# Altium PCB PMT_simulator.PcbDoc (part 1 of 5) (continued)
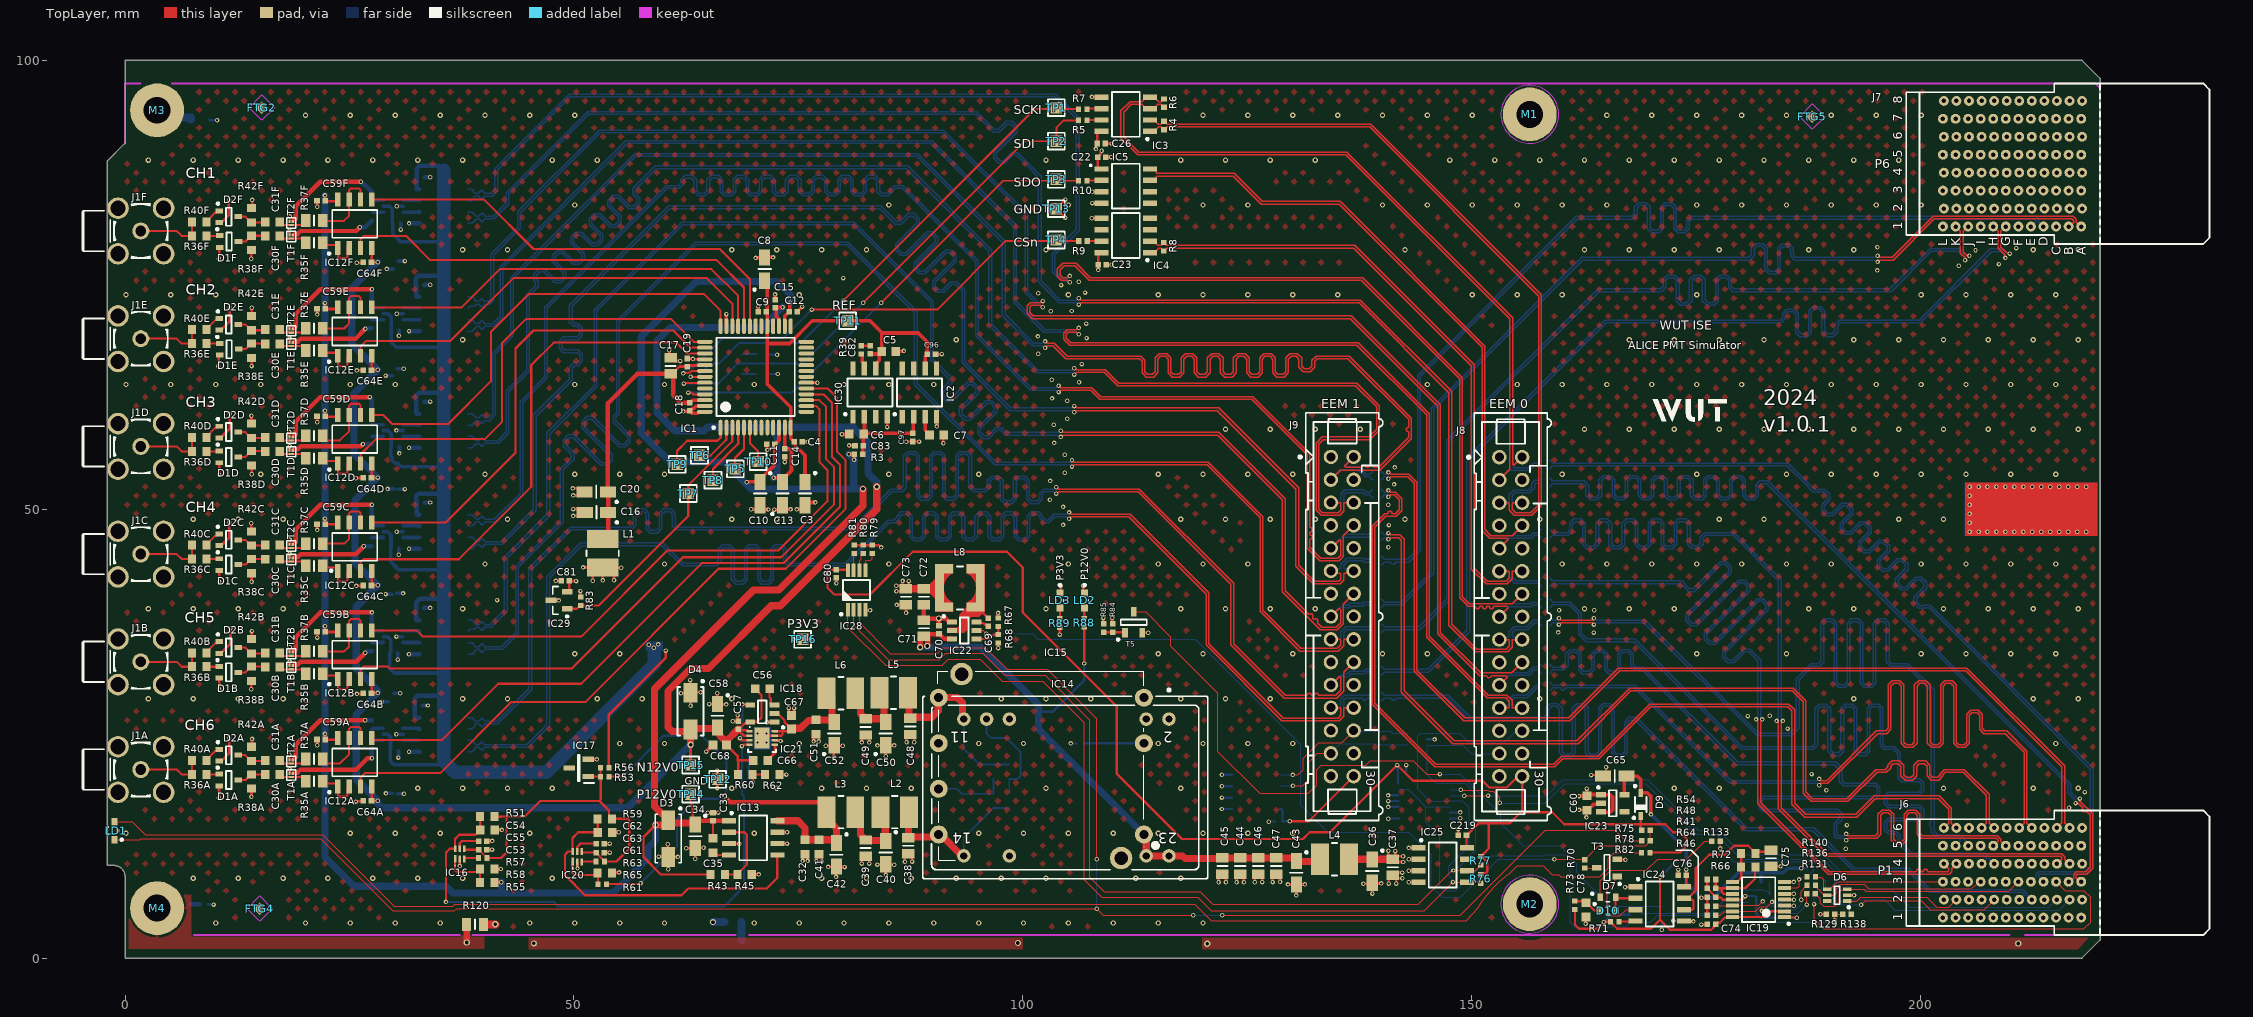
[diagram p0: TopLayer view]
## Classes and differential pairs (continued)
net class BP_IO.LVDS_P[0..15]: BP_IO.LVDS_P0 BP_IO.LVDS_P1 BP_IO.LVDS_P2 BP_IO.LVDS_P3 BP_IO.LVDS_P4 BP_IO.LVDS_P5 BP_IO.LVDS_P6 BP_IO.LVDS_P7 BP_IO.LVDS_P8 BP_IO.LVDS_P9 BP_IO.LVDS_P10 BP_IO.LVDS_P11 BP_IO.LVDS_P12 BP_IO.LVDS_P13 BP_IO.LVDS_P14 BP_IO.LVDS_P15
net class BP_IO.LVDS_N[0..15]: BP_IO.LVDS_N0 BP_IO.LVDS_N1 BP_IO.LVDS_N2 BP_IO.LVDS_N3 BP_IO.LVDS_N4 BP_IO.LVDS_N5 BP_IO.LVDS_N6 BP_IO.LVDS_N7 BP_IO.LVDS_N8 BP_IO.LVDS_N9 BP_IO.LVDS_N10 BP_IO.LVDS_N11 BP_IO.LVDS_N12 BP_IO.LVDS_N13 BP_IO.LVDS_N14 BP_IO.LVDS_N15
component class Overlapping: J6
component class DIOT_Connectors_P1_P6: C60 C65 C74 C75 C76 C77 C78 D5 D6 D7 D9 D10 IC19 IC23 IC24 J6 J7 R41 R46 R48 R54 R64 R66 R69 R70 R71 R72 R73 R86 R87 R129 R130 R131 R133 R136 R138 R140 T3 T6
component class U_Supply_DAC: C32 C33 C34 C35 C36 C37 C38 C39 C40 C41 C42 C43 C44 C45 C46 C47 C48 C49 C50 C51 C52 C53 C54 C55 C56 C57 C58 C61 C62 C63 C66 C67 C68 C69 C70 C71 C72 C73 D3 D4 IC13 IC14 IC15 IC16 IC17 IC18 IC20 IC21 IC22 L2 L3 L4 L5 L6 L8 LD2 LD3 R43 R44 R45 R47 R49 R50 R51 R52 R53 R55 R56 R57 R58 R59 R60 R61 R62 R63 R65 R67 R68 R74 R84 R85 R88 R89 T4 T5 TP12 TP13 TP14 TP15 TP16
component class PMT_simulator: C212 FTG1 FTG2 FTG3 FTG4 FTG5 FTG6 M1 M2 M3 M4 R119 R120 R126
component class U_LVDS_IFC: C21 C22 C23 C24 C25 C26 C27 C28 C29 C84 C85 C86 C87 C88 C89 C90 C91 C92 C93 C94 C95 IC3 IC4 IC5 IC6 IC7 IC8 IC9 IC10 IC11 IC31 IC32 IC33 IC34 IC35 IC36 R4 R5 R6 R7 R8 R9 R10 R11 R12 R13 R14 R15 R16 R17 R18 R19 R20 R21 R22 R23 R24 R25 R26 R27 R28 R29 R30 R31 R32 R33 R34
pad class MH: M1-1 M2-1 M3-1 M4-1
component class EEM_Connectors: C79 C80 C219 C220 D8 IC25 IC26 IC27 IC28 J8 J9 LD1 R75 R76 R77 R78 R79 R80 R81 R82 R145 R146 R147 R148 R149 R150 R151 R152 R153 R154 R155 R156 R157 R158 R159 R160 R161 R162 R163 R164 R167 R168 R169 R170 R171 R172 R173 R174 R175 R176 R177 R178
differential pair LVDS.LVDS15: +LVDS.LVDS_P15 -LVDS.LVDS_N15
differential pair LVDS.LVDS14: +LVDS.LVDS_P14 -LVDS.LVDS_N14
differential pair LVDS.LVDS13: +LVDS.LVDS_P13 -LVDS.LVDS_N13
differential pair LVDS.LVDS12: +LVDS.LVDS_P12 -LVDS.LVDS_N12
differential pair LVDS.LVDS11: +LVDS.LVDS_P11 -LVDS.LVDS_N11
differential pair LVDS.LVDS10: +LVDS.LVDS_P10 -LVDS.LVDS_N10
differential pair LVDS.LVDS9: +LVDS.LVDS_P9 -LVDS.LVDS_N9
differential pair LVDS.LVDS8: +LVDS.LVDS_P8 -LVDS.LVDS_N8
differential pair LVDS.LVDS7: +LVDS.LVDS_P7 -LVDS.LVDS_N7
differential pair LVDS.LVDS6: +LVDS.LVDS_P6 -LVDS.LVDS_N6
differential pair LVDS.LVDS5: +LVDS.LVDS_P5 -LVDS.LVDS_N5
differential pair LVDS.LVDS4: +LVDS.LVDS_P4 -LVDS.LVDS_N4
differential pair LVDS.LVDS3: +LVDS.LVDS_P3 -LVDS.LVDS_N3
differential pair LVDS.LVDS2: +LVDS.LVDS_P2 -LVDS.LVDS_N2
differential pair LVDS.LVDS1: +LVDS.LVDS_P1 -LVDS.LVDS_N1
differential pair LVDS.LVDS0: +LVDS.LVDS_P0 -LVDS.LVDS_N0
differential pair BP_IO.LVDS15: +BP_IO.LVDS_P15 -BP_IO.LVDS_N15
differential pair BP_IO.LVDS14: +BP_IO.LVDS_P14 -BP_IO.LVDS_N14
differential pair BP_IO.LVDS13: +BP_IO.LVDS_P13 -BP_IO.LVDS_N13
differential pair BP_IO.LVDS12: +BP_IO.LVDS_P12 -BP_IO.LVDS_N12
differential pair BP_IO.LVDS11: +BP_IO.LVDS_P11 -BP_IO.LVDS_N11
differential pair BP_IO.LVDS10: +BP_IO.LVDS_P10 -BP_IO.LVDS_N10
differential pair BP_IO.LVDS9: +BP_IO.LVDS_P9 -BP_IO.LVDS_N9
differential pair BP_IO.LVDS8: +BP_IO.LVDS_P8 -BP_IO.LVDS_N8
differential pair BP_IO.LVDS7: +BP_IO.LVDS_P7 -BP_IO.LVDS_N7
differential pair BP_IO.LVDS6: +BP_IO.LVDS_P6 -BP_IO.LVDS_N6
differential pair BP_IO.LVDS5: +BP_IO.LVDS_P5 -BP_IO.LVDS_N5
differential pair BP_IO.LVDS4: +BP_IO.LVDS_P4 -BP_IO.LVDS_N4
differential pair BP_IO.LVDS3: +BP_IO.LVDS_P3 -BP_IO.LVDS_N3
differential pair BP_IO.LVDS2: +BP_IO.LVDS_P2 -BP_IO.LVDS_N2
differential pair BP_IO.LVDS1: +BP_IO.LVDS_P1 -BP_IO.LVDS_N1
differential pair BP_IO.LVDS0: +BP_IO.LVDS_P0 -BP_IO.LVDS_N0

## Components (designator, comment, footprint, x,y, rotation, side; value= is the part's Value field where it differs from the comment)
C1 "82pF" CAPC1608X87N 71.075,67.272 r180 bottom
C2 "82pF" CAPC1608X87N 71.025,65.084 r180 bottom
C3 "10uF" CAPMP3216X180N 75.75,51.75 r270 top
C4 "100nF" CAPC1005X55N 75,57.5 r180 top
C5 "2.2uF" CAPC1608X87N 85.083,67.6 r180 top
C6 "2.2uF" CAPC1608X87N 81.5,58.379 r0 top
C7 "1uF" CAPC1608X87N 90.424,58.281 r180 top
C8 "10uF" CAPMP3216X180N 71.25,76.75 r90 top
C9 "100nF" CAPC1005X55N 71,72 r0 top
C10 "10uF" CAPMP3216X180N 70.75,51.75 r270 top
C11 "100nF" CAPC1005X55N 71.95,57.25 r0 top
C12 "100nF" CAPC1005X55N 74.434,72.005 r180 top
C13 "10uF" CAPMP3216X180N 73.25,51.75 r90 top
C14 "100nF" CAPC1005X55N 73.5,56.3 r90 top
C15 "100nF" CAPC1005X55N 72.42,72.883 r270 top
C16 "10uF" CAPMP3216X180N 52.508,49.649 r180 top
C17 "22uF" CAPC2012X135N 60.782,65.972 r270 top
C18 "100nF" CAPC1005X55N 62.896,61.421 r90 top
C19 "100nF" CAPC1005X55N 62.65,66.347 r270 top
C20 "10uF" CAPMP3216X180N 52.496,51.934 r180 top
C21 "100nF" CAPC1005X55N 32.956,86.991 r180 bottom
C22 "100nF" CAPC1005X55N 108.828,89.239 r180 top
C23 "100nF" CAPC1005X55N 108.877,77.254 r180 top
C24 "100nF" CAPC1005X55N 32.704,28.133 r180 bottom
C25 "100nF" CAPC1005X55N 32.875,74.961 r180 bottom
C26 "100nF" CAPC1005X55N 108.75,90.75 r180 top
C27 "100nF" CAPC1005X55N 32.873,38.99 r180 bottom
C28 "100nF" CAPC1005X55N 32.902,61.98 r180 bottom
C29 "100nF" CAPC1005X55N 32.925,50.743 r180 bottom
C30A "10pF" CAPC1608X87N 16.433,20.428 r0 top (schematic designator C30)
C30B "10pF" CAPC1608X87N 16.433,32.428 r0 top (schematic designator C30)
C30C "10pF" CAPC1608X87N 16.433,44.428 r0 top (schematic designator C30)
C30D "10pF" CAPC1608X87N 16.433,56.428 r0 top (schematic designator C30)
C30E "10pF" CAPC1608X87N 16.433,68.428 r0 top (schematic designator C30)
C30F "10pF" CAPC1608X87N 16.433,80.428 r0 top (schematic designator C30)
C31A "10pF" CAPC1608X87N 16.416,22.007 r0 top (schematic designator C31)
C31B "10pF" CAPC1608X87N 16.416,34.007 r0 top (schematic designator C31)
C31C "10pF" CAPC1608X87N 16.416,46.007 r0 top (schematic designator C31)
C31D "10pF" CAPC1608X87N 16.416,58.007 r0 top (schematic designator C31)
C31E "10pF" CAPC1608X87N 16.416,70.007 r0 top (schematic designator C31)
C31F "10pF" CAPC1608X87N 16.416,82.007 r0 top (schematic designator C31)
C32 "1uF" CAPC1608X87N 75.757,12.376 r90 top
C33 "100nF" CAPC1005X55N 65.5,15.75 r270 top
C34 "10uF" CAPMP3216X180N 63.515,13.561 r270 top
C35 "10nF" CAPC1608X87N 65.5,12.55 r90 top
C36 "10uF" CAPMP3216X180N 138.958,9.693 r270 top
C37 "22uF" CAPC2012X135N 141.237,10.103 r90 top
C38 "22uF" CAPC2012X135N 87.25,12.5 r90 top
C39 "22uF" CAPC2012X135N 82.5,12.25 r90 top
C40 "10uF" CAPMP3216X180N 84.75,11.75 r270 top
C41 "1uF" CAPC1608X87N 77.311,12.376 r90 top
C42 "10uF" CAPMP3216X180N 79.25,11.5 r270 top
C43 "10uF" CAPMP3216X180N 130.5,9.5 r270 top
C44 "22uF" CAPC2012X135N 124.25,10.25 r90 top
C45 "22uF" CAPC2012X135N 122.25,10.25 r90 top
C46 "22uF" CAPC2012X135N 126.25,10.25 r90 top
C47 "22uF" CAPC2012X135N 128.25,10.25 r90 top
C48 "22uF" CAPC2012X135N 87.479,25.804 r90 top
C49 "22uF" CAPC2012X135N 82.5,25.75 r90 top
C50 "10uF" CAPMP3216X180N 84.75,25 r90 top
C51 "1uF" CAPC1608X87N 77,25.75 r90 top
C52 "10uF" CAPMP3216X180N 79,25 r90 top
C53 "100nF" CAPC1005X55N 39.852,12.07 r180 top
C54 "82pF" CAPC1608X87N 40.367,14.278 r180 top
C55 "100nF" CAPC1005X55N 39.852,13.028 r180 top
C56 "10nF" CAPC1608X87N 71,30 r0 top
C57 "100nF" CAPC1005X55N 68.307,25.938 r270 top
C58 "10uF" CAPMP3216X180N 66,27 r270 top
C59A "100nF" CAPC1005X55N 21.832,24.348 r0 top (schematic designator C59)
C59B "100nF" CAPC1005X55N 21.832,36.348 r0 top (schematic designator C59)
C59C "100nF" CAPC1005X55N 21.832,48.348 r0 top (schematic designator C59)
C59D "100nF" CAPC1005X55N 21.832,60.348 r0 top (schematic designator C59)
C59E "100nF" CAPC1005X55N 21.832,72.348 r0 top (schematic designator C59)
C59F "100nF" CAPC1005X55N 21.832,84.348 r0 top (schematic designator C59)
C60 "1uF" CAPC1608X87N 162.865,17.252 r90 top
C61 "100nF" CAPC1005X55N 52.95,11.75 r180 top
C62 "82pF" CAPC1608X87N 53.465,14 r180 top
C63 "100nF" CAPC1005X55N 52.95,12.75 r180 top
C64A "100nF" CAPC1005X55N 27,17.5 r0 top (schematic designator C64)
C64B "100nF" CAPC1005X55N 27,29.5 r0 top (schematic designator C64)
C64C "100nF" CAPC1005X55N 27,41.5 r0 top (schematic designator C64)
C64D "100nF" CAPC1005X55N 27,53.5 r0 top (schematic designator C64)
C64E "100nF" CAPC1005X55N 27,65.5 r0 top (schematic designator C64)
C64F "100nF" CAPC1005X55N 27,77.5 r0 top (schematic designator C64)
C65 "10uF" CAPMP3216X180N 165.964,20.279 r180 top
C66 "10nF" CAPC1608X87N 70.806,22.03 r0 top
C67 "10uF" CAPC1608X80N 74.25,26.25 r270 top
C68 "10uF" CAPC1608X80N 66.25,23.75 r0 top
C69 "100nF" CAPC1005X55N 96.183,37.393 r90 top
C70 "100nF" CAPC1005X55N 90.683,36.589 r270 top
C71 "22uF" CAPC2012X135N 89,36.75 r270 top
C72 "22uF" CAPC2012X135N 89,40.25 r90 top
C73 "22uF" CAPC2012X135N 87,40.25 r90 top
C74 "100nF" CAPC1005X55N 176.75,3.753 r0 top
C75 "22uF" CAPC2012X135N 183.383,11.109 r90 top
C76 "100nF" CAPC1005X55N 173.473,9.239 r0 top
C77 "100nF" CAPC1005X55N 173.673,4.123 r0 bottom
C78 "1uF" CAPC1608X87N 162.774,5.367 r90 top
C79 "100nF" CAPC1005X55N 142.272,20.797 r180 bottom
C80 "100nF" CAPC1005X55N 79.25,42.8 r90 top
C81 "100nF" CAPC1005X55N 49.043,42.01 r0 top
C82 "10nF" CAPC1005X55N 83,67.75 r90 top
C83 "100nF" CAPC1005X55N 81.772,57.079 r0 top
C84 "100nF" CAPC1005X55N 30.266,81.883 r180 bottom
C85 "100nF" CAPC1005X55N 30.081,69.929 r180 bottom
C86 "100nF" CAPC1005X55N 30.123,56.941 r180 bottom
C87 "100nF" CAPC1005X55N 30.045,45.663 r180 bottom
C88 "100nF" CAPC1005X55N 29.945,33.978 r180 bottom
C89 "100nF" CAPC1005X55N 30.007,23.064 r180 bottom
C90 "10uF" CAPMP3216X180N 30.196,53.41 r270 bottom
C91 "10uF" CAPMP3216X180N 30.026,66.519 r270 bottom
C92 "10uF" CAPMP3216X180N 30.123,78.519 r270 bottom
C93 "10uF" CAPMP3216X180N 30.034,41.921 r270 bottom
C94 "10uF" CAPMP3216X180N 29.705,30.416 r270 bottom
C95 "10uF" CAPMP3216X180N 30.034,19.669 r270 bottom
C96 "100nF" CAPC1005X55N 89.843,67.267 r180 top
C97 "100nF" CAPC1005X55N 87.75,58 r90 top
C212 "22pF" CAPC1005X55N 8.75,6 r0 bottom
C219 "100nF" CAPC1005X55N 149.003,13.656 r0 top
C220 "100nF" CAPC1005X55N 128.5,15.25 r0 bottom
D1A "BAS70-04W" SOT65P210X110-3N 11.544,19.832 r0 top (schematic designator D1)
D1B "BAS70-04W" SOT65P210X110-3N 11.544,31.832 r0 top (schematic designator D1)
D1C "BAS70-04W" SOT65P210X110-3N 11.544,43.832 r0 top (schematic designator D1)
D1D "BAS70-04W" SOT65P210X110-3N 11.544,55.832 r0 top (schematic designator D1)
D1E "BAS70-04W" SOT65P210X110-3N 11.593,67.832 r0 top (schematic designator D1)
D1F "BAS70-04W" SOT65P210X110-3N 11.585,79.832 r0 top (schematic designator D1)
D2A "BAS70-04W" SOT65P210X110-3N 11.544,22.596 r0 top (schematic designator D2)
D2B "BAS70-04W" SOT65P210X110-3N 11.544,34.596 r0 top (schematic designator D2)
D2C "BAS70-04W" SOT65P210X110-3N 11.544,46.596 r0 top (schematic designator D2)
D2D "BAS70-04W" SOT65P210X110-3N 11.544,58.596 r0 top (schematic designator D2)
D2E "BAS70-04W" SOT65P210X110-3N 11.544,70.596 r0 top (schematic designator D2)
D2F "BAS70-04W" SOT65P210X110-3N 11.544,82.596 r0 top (schematic designator D2)
D3 "SK26A" DIOM5126X265N 60.515,13.311 r270 top
D4 "SK26A" DIOM5126X265N 63,27.5 r270 top
D5 "PESD3V3L5UY" SOT65P210X110-6N 190.771,7 r180 bottom
D6 "PESD3V3L5UY" SOT65P210X110-6N 190.75,7 r180 top
D7 "CDBU0520-HF" SOD-523F 165.214,6.775 r0 top
D8 "PESD3V3L5UY" SOT65P210X110-6N 143.989,24.382 r180 bottom
D9 "BAT165" SOD2512X110N 168.86,17.107 r90 top
D10 "CDBU0520-HF" SOD-523F 165.214,5.275 r0 top
FTG1 "Use only in PCB" FIDUCIAL_TOP_S100-200 15.25,94.75 r90 bottom
FTG2 "Use only in PCB" FIDUCIAL_TOP_S100-200 15.25,94.75 r90 top
FTG3 "Use only in PCB" FIDUCIAL_TOP_S100-200 15,5.5 r90 bottom
FTG4 "Use only in PCB" FIDUCIAL_TOP_S100-200 15,5.5 r90 top
FTG5 "Use only in PCB" FIDUCIAL_TOP_S100-200 188,93.75 r90 top
FTG6 "Use only in PCB" FIDUCIAL_TOP_S100-200 188,93.75 r90 bottom
IC1 "AD5361BSTZ" ST-52_N 70.25,64.75 r90 top
IC2 "MAX6250ACSA+" SOIC127P600X175-8N 88.5,63 r90 top
IC3 "FIN1028MX" SOIC127P600X175-8N 111.5,94 r180 top
IC4 "FIN1028MX" SOIC127P600X175-8N 111.5,80.5 r180 top
IC5 "FIN1027AMX" SOIC127P600X175-8N 111.5,86 r0 top
IC6 "FIN1028MX" SOIC127P600X175-8N 35.5,83.75 r180 bottom
IC7 "FIN1028MX" SOIC127P600X175-8N 35.5,71.75 r180 bottom
IC8 "FIN1028MX" SOIC127P600X175-8N 35.5,58.75 r180 bottom
IC9 "FIN1028MX" SOIC127P600X175-8N 35.5,47.5 r180 bottom
IC10 "FIN1028MX" SOIC127P600X175-8N 35.5,35.75 r180 bottom
IC11 "FIN1028MX" SOIC127P600X175-8N 35.5,24.885 r180 bottom
IC12A "OPA2197ID" SOIC127P600X175-8N 25.59,21.8 r90 top (schematic designator IC12)
IC12B "OPA2197ID" SOIC127P600X175-8N 25.59,33.8 r90 top (schematic designator IC12)
IC12C "OPA2197ID" SOIC127P600X175-8N 25.59,45.8 r90 top (schematic designator IC12)
IC12D "OPA2197ID" SOIC127P600X175-8N 25.59,57.8 r90 top (schematic designator IC12)
IC12E "OPA2197ID" SOIC127P600X175-8N 25.59,69.8 r90 top (schematic designator IC12)
IC12F "OPA2197ID" SOIC127P600X175-8N 25.59,81.8 r90 top (schematic designator IC12)
IC13 "LT1763CS8" SOIC127P600X175-8N 69.972,13.386 r0 top
IC14 "JHM0612D12" DCDC_XPPOWER_JHM0X 104.75,19 r180 top locked
IC15 "CC6-1212DF-E" CC6-1212DF-E 110.972,11.137 r180 top locked
IC16 "TPS389001DSET" TPS610985DSET 37.261,11.602 r0 top
IC17 "LM4040CIM3-5.0" SOT95P237X112-3N 50.546,21.173 r180 top
IC18 "LT1964ES5-BYP#TRMPBF" SOT95P280X100-5N 71,27.25 r180 top
IC19 "74HC4066PW" SOP65P640X110-14N 182,6.5 r180 top
IC20 "TPS389001DSET" TPS610985DSET 50.357,11.282 r0 top
IC21 "LT1964EDD#PBF" LT-DD-8_V 70.967,24.509 r0 top
IC22 "AP62201WU-7" SOT95P280X100-6N 93.5,36.5 r0 top
IC23 "MIC5219-3.3YM5" SOT95P280X145-5N 165.75,17.25 r0 top
IC24 "TLC555ID" SOIC127P600X175-8N 170.964,6.025 r0 top
IC25 "24AA025E48-I/SN" SOIC127P600X175-8N 146.8,10.365 r0 top
IC26 "24AA025E48-I/SN" SOIC127P600X175-8N 126,18.5 r0 bottom
IC27 "74HC4066PW" SOP65P640X110-14N 144.75,17.5 r180 bottom
IC28 "LM75AIMM/NOPB" SOP65P490X109-8N 81.5,41 r90 top
IC29 "MCP121T-315E/TT" SOT-23-TT3_L 48.35,39.849 r180 top
IC30 "ADR431BRZ" SOIC127P600X175-8N 83,63 r90 top
IC31 "NL27WZ17DFT2G" SOT65P210X110-6N 29.892,83.753 r180 bottom
IC32 "NL27WZ17DFT2G" SOT65P210X110-6N 29.894,71.782 r180 bottom
IC33 "NL27WZ17DFT2G" SOT65P210X110-6N 29.859,58.775 r180 bottom
IC34 "NL27WZ17DFT2G" SOT65P210X110-6N 29.873,47.5 r180 bottom
IC35 "NL27WZ17DFT2G" SOT65P210X110-6N 29.854,35.804 r180 bottom
IC36 "NL27WZ17DFT2G" SOT65P210X110-6N 29.864,24.928 r180 bottom
J1A "MCX" AMPHENOL_919-383J-51A 1.75,21 r180 top (schematic designator J1)
J1B "MCX" AMPHENOL_919-383J-51A 1.75,33 r180 top (schematic designator J1)
J1C "MCX" AMPHENOL_919-383J-51A 1.75,45 r180 top (schematic designator J1)
J1D "MCX" AMPHENOL_919-383J-51A 1.75,57 r180 top (schematic designator J1)
J1E "MCX" AMPHENOL_919-383J-51A 1.75,69 r180 top (schematic designator J1)
J1F "MCX" AMPHENOL_919-383J-51A 1.75,81 r180 top (schematic designator J1)
J6 "P1" AMPHENOL_10052825-101LF 210.289,9.5 r90 top locked
J7 "P6" AMPHENOL_10052838-101LF 210.289,88.5 r90 top locked
J8 "" 3M_N2530-6002RB 154.384,38.018 r270 top locked
J9 "" 3M_N2530-6002RB 135.614,38.044 r270 top locked
L1 "10uH" IND_MURATA-PS_8400 53.196,45.096 r90 top
L2 "10uH" IND_MURATA-PS_8400 85.75,16.25 r180 top
L3 "10uH" IND_MURATA-PS_8400 79.75,16.25 r180 top
L4 "10uH" IND_MURATA-PS_8400 134.75,11 r0 top
L5 "10uH" IND_MURATA-PS_8400 85.629,29.554 r180 top
L6 "10uH" IND_MURATA-PS_8400 79.75,29.5 r180 top
L8 "3.3uH" IND_WURTH_WE-TPC_4828 93.013,41.229 r180 top
LD1 "Red" LED_AVAGO_HSMC-C120 -1.178,14.185 r90 top
LD2 "Green" LED_KINGBRIGHT_KPH-1608CGCK 106.901,39.85 r270 top
LD3 "Green" LED_KINGBRIGHT_KPH-1608CGCK 104.151,39.85 r270 top
M1 "Plated Hole" MTG300_600 156.5,94 r0 top
M2 "Plated Hole" MTG300_600 156.5,6 r0 top
M3 "Plated Hole" MTG300_600 3.57,94.45 r0 top locked
M4 "Plated Hole" MTG300_600 3.57,5.55 r0 top locked
R1 "220" RESC1608X55N 67.996,67.272 r180 bottom
R2 "220" RESC1608X55N 67.946,65.084 r180 bottom
R3 "0" RESC1005X40N 81.711,56.134 r0 top
R4 "100" RESC1005X40N 115.75,92.75 r90 top
R5 "49R9" RESC1005X40N 106.708,93.333 r0 top
R6 "100" RESC1005X40N 115.75,95.25 r90 top
R7 "49R9" RESC1005X40N 106.699,94.57 r0 top
R8 "100" RESC1005X40N 115.737,79.245 r90 top
R9 "49R9" RESC1005X40N 106.718,79.889 r0 top
R10 "49R9" RESC1005X40N 106.708,86.598 r0 top
R11 "100" RESC1005X40N 39.726,85.045 r270 bottom
R12 "27" RESC1005X40N 27.5,84.892 r270 bottom
R13 "100" RESC1005X40N 39.758,82.515 r270 bottom
R14 "27" RESC1005X40N 27.5,82.628 r90 bottom
R15 "100" RESC1005X40N 39.75,73 r270 bottom
R16 "27" RESC1005X40N 27.5,72.859 r270 bottom
R17 "100" RESC1005X40N 39.75,70.53 r270 bottom
R18 "27" RESC1005X40N 27.5,70.626 r90 bottom
R19 "100" RESC1005X40N 39.75,60.03 r270 bottom
R20 "27" RESC1005X40N 27.5,59.911 r270 bottom
R21 "100" RESC1005X40N 39.75,57.5 r270 bottom
R22 "27" RESC1005X40N 27.5,57.682 r90 bottom
R23 "100" RESC1005X40N 39.75,48.75 r270 bottom
R24 "27" RESC1005X40N 27.5,48.587 r270 bottom
R25 "100" RESC1005X40N 39.75,46.25 r270 bottom
R26 "27" RESC1005X40N 27.5,46.332 r90 bottom
R27 "100" RESC1005X40N 39.75,37 r270 bottom
R28 "27" RESC1005X40N 27.5,36.889 r270 bottom
R29 "100" RESC1005X40N 39.75,34.53 r270 bottom
R30 "27" RESC1005X40N 27.5,34.681 r90 bottom
R31 "100" RESC1005X40N 39.75,26.25 r270 bottom
R32 "27" RESC1005X40N 27.5,25.97 r270 bottom
R33 "100" RESC1005X40N 39.742,23.627 r270 bottom
R34 "27" RESC1005X40N 27.5,23.78 r90 bottom
R35A "560" RESC2012X70N 21.054,19.682 r0 top (schematic designator R35)
R35B "560" RESC2012X70N 21.054,31.682 r0 top (schematic designator R35)
R35C "560" RESC2012X70N 21.054,43.682 r0 top (schematic designator R35)
R35D "560" RESC2012X70N 21.054,55.682 r0 top (schematic designator R35)
R35E "560" RESC2012X70N 21.054,67.682 r0 top (schematic designator R35)
R35F "560" RESC2012X70N 21.054,79.682 r0 top (schematic designator R35)
R36A "100" RESC1608X55N 8.25,20.454 r0 top (schematic designator R36)
R36B "100" RESC1608X55N 8.25,32.454 r0 top (schematic designator R36)
R36C "100" RESC1608X55N 8.25,44.454 r0 top (schematic designator R36)
R36D "100" RESC1608X55N 8.25,56.454 r0 top (schematic designator R36)
R36E "100" RESC1608X55N 8.25,68.454 r0 top (schematic designator R36)
R36F "100" RESC1608X55N 8.25,80.454 r0 top (schematic designator R36)
R37A "560" RESC2012X70N 21.054,22.169 r0 top (schematic designator R37)
R37B "560" RESC2012X70N 21.054,34.169 r0 top (schematic designator R37)
R37C "560" RESC2012X70N 21.054,46.169 r0 top (schematic designator R37)
R37D "560" RESC2012X70N 21.054,58.169 r0 top (schematic designator R37)
R37E "560" RESC2012X70N 21.054,70.169 r0 top (schematic designator R37)
R37F "560" RESC2012X70N 21.054,82.169 r0 top (schematic designator R37)
R38A "1M" RESC1608X55N 14.099,19.669 r90 top (schematic designator R38)
R38B "1M" RESC1608X55N 14.099,31.669 r90 top (schematic designator R38)
R38C "1M" RESC1608X55N 14.099,43.669 r90 top (schematic designator R38)
R38D "1M" RESC1608X55N 14.099,55.669 r90 top (schematic designator R38)
R38E "1M" RESC1608X55N 14.099,67.669 r90 top (schematic designator R38)
R38F "1M" RESC1608X55N 14.099,79.669 r90 top (schematic designator R38)
R39 "82" RESC1005X40N 82,67.75 r270 top
R40A "100" RESC1608X55N 8.25,22 r0 top (schematic designator R40)
R40B "100" RESC1608X55N 8.25,34 r0 top (schematic designator R40)
R40C "100" RESC1608X55N 8.25,46 r0 top (schematic designator R40)
R40D "100" RESC1608X55N 8.25,58 r0 top (schematic designator R40)
R40E "100" RESC1608X55N 8.25,70 r0 top (schematic designator R40)
R40F "100" RESC1608X55N 8.25,82 r0 top (schematic designator R40)
R41 "10k" RESC1005X40N 176.75,6.75 r180 top
R42A "1M" RESC1608X55N 14.103,22.739 r270 top (schematic designator R42)
R42B "1M" RESC1608X55N 14.103,34.739 r270 top (schematic designator R42)
R42C "1M" RESC1608X55N 14.103,46.739 r270 top (schematic designator R42)
R42D "1M" RESC1608X55N 14.103,58.739 r270 top (schematic designator R42)
R42E "1M" RESC1608X55N 14.103,70.739 r270 top (schematic designator R42)
R42F "1M" RESC1608X55N 14.103,82.739 r270 top (schematic designator R42)
R43 "24k" RESC1608X55N 66.015,9.311 r180 top
R44 "Undefined" RESC1608X55N 98.5,17.5 r270 bottom
R45 "2k7" RESC1608X55N 69.015,9.311 r180 top
R46 "10k" RESC1005X40N 176.75,4.75 r0 top
R47 "12k7" RESC1608X55N 98.5,20.75 r270 bottom
R48 "10k" RESC1005X40N 176.75,7.75 r0 top
R49 "Undefined" RESC1608X55N 96.75,17.5 r270 bottom
R50 "0" RESC1005X40N 106.44,23.91 r0 bottom
R51 "24k" RESC1608X55N 40.342,15.778 r180 top
R52 "36k" RESC1608X55N 96.75,20.75 r270 bottom
R53 "10k" RESC1005X40N 53.43,20.19 r0 top
R54 "10k" RESC1005X40N 176.75,8.75 r0 top
R55 "24k" RESC1608X55N 40.342,8.401 r0 top
R56 "0" RESC1005X40N 53.43,21.19 r180 top
R57 "0" RESC1005X40N 39.852,11.142 r0 top
R58 "2k7" RESC1608X55N 40.342,9.894 r180 top
R59 "24k" RESC1608X55N 53.44,15.5 r180 top
R60 "24k" RESC1608X55N 69.1,20.44 r180 top
R61 "10k" RESC1005X40N 53.164,8.242 r0 top
R62 "2k7" RESC1608X55N 72.1,20.44 r180 top
R63 "0" RESC1005X40N 52.95,10.75 r0 top
R64 "10k" RESC1005X40N 176.75,5.75 r0 top
R65 "1k" RESC1608X55N 53.44,9.48 r180 top
R66 "2k7" RESC1608X55N 180.85,10.147 r0 top
R67 "31k6" RESC1005X35N 97.265,37.409 r90 top
R68 "10k" RESC1005X40N 97.272,35.559 r90 top
R69 "10k" RESC1005X40N 187.861,10.011 r0 bottom
R70 "0" RESC1005X40N 162.612,10.487 r90 top
R71 "0" RESC1005X40N 165.964,4.025 r0 top
R72 "2k7" RESC1608X55N 180.85,11.647 r0 top
R73 "10k" RESC1005X40N 161.524,5.867 r90 top
R74 "10k" RESC1005X40N 167.63,5.303 r270 bottom
R75 "10k" RESC1005X40N 169.45,14.255 r0 top
R76 "10k" RESC1005X40N 151.028,8.803 r90 top
R77 "10k" RESC1005X40N 151.042,10.831 r90 top
R78 "0" RESC1005X40N 169.451,13.041 r0 top
R79 "0" RESC1005X40N 83.25,45.53 r270 top
R80 "0" RESC1005X40N 82.25,45.53 r270 top
R81 "0" RESC1005X40N 81.25,45.53 r270 top
R82 "240" RESC1005X40N 169.416,11.741 r0 top
R83 "1k" RESC1005X40N 50.75,39.75 r90 top
R84 "8k2" RESC1005X40N 110.022,36.769 r90 top
R85 "10k" RESC1005X40N 109.017,36.77 r270 top
R86 "220" RESC1005X40N 179.651,5.698 r270 bottom
R87 "10k" RESC1005X40N 182.75,8.627 r180 bottom
R88 "10k" RESC1005X40N 106.873,37.349 r270 top
R89 "1k" RESC1005X40N 104.153,37.321 r270 top
R119 "10M" RESC2113X55N 67.75,4 r180 bottom
R120 "10M" RESC2113X55N 39,3.75 r180 top
R126 "1M1" RESC2012X60N 8.35,93.4 r0 bottom
R129 "200" RESC1005X40N 190.013,4.851 r0 top
R130 "22" RESC1005X40N 187.861,9 r0 bottom
R131 "22" RESC1005X40N 187.843,7.164 r0 top
R133 "22" RESC1005X40N 177.25,13 r0 top
R136 "22" RESC1005X40N 187.86,8.115 r0 top
R138 "22" RESC1005X40N 191.846,4.851 r0 top
R140 "22" RESC1005X40N 187.86,9.064 r0 top
R145 "0" RESC1005X40N 158.25,55.5 r180 bottom
R146 "0" RESC1005X40N 158.25,53.5 r180 bottom
R147 "0" RESC1005X40N 158.25,47.75 r180 bottom
R148 "0" RESC1005X40N 158.25,41.363 r180 bottom
R149 "0" RESC1005X40N 158.25,40 r180 bottom
R150 "0" RESC1005X40N 158.25,38 r180 bottom
R151 "0" RESC1005X40N 158.25,32.75 r180 bottom
R152 "0" RESC1005X40N 158.25,30.75 r180 bottom
R153 "0" RESC1005X40N 139.5,54.25 r180 bottom
R154 "0" RESC1005X40N 139.5,52.25 r180 bottom
R155 "0" RESC1005X40N 139.5,47.5 r180 bottom
R156 "0" RESC1005X40N 139.5,44.75 r180 bottom
R157 "0" RESC1005X40N 139.5,40 r180 bottom
R158 "0" RESC1005X40N 139.5,37.25 r180 bottom
R159 "0" RESC1005X40N 139.5,32.5 r180 bottom
R160 "0" RESC1005X40N 139.5,29.615 r180 bottom
R161 "0" RESC1005X40N 158.25,54.5 r180 bottom
R162 "0" RESC1005X40N 158.25,52.5 r180 bottom
R163 "0" RESC1005X40N 158.25,46.75 r180 bottom
R164 "0" RESC1005X40N 158.25,42.363 r180 bottom
R167 "0" RESC1005X40N 158.25,39 r180 bottom
R168 "0" RESC1005X40N 158.25,37 r180 bottom
R169 "0" RESC1005X40N 158.25,31.75 r180 bottom
R170 "0" RESC1005X40N 158.25,29.75 r180 bottom
R171 "0" RESC1005X40N 139.5,53.25 r180 bottom
R172 "0" RESC1005X40N 139.5,51.25 r180 bottom
R173 "0" RESC1005X40N 139.5,46.5 r180 bottom
R174 "0" RESC1005X40N 139.5,43.75 r180 bottom
R175 "0" RESC1005X40N 139.5,39 r180 bottom
R176 "0" RESC1005X40N 139.5,36.25 r180 bottom
R177 "0" RESC1005X40N 139.5,31.5 r180 bottom
R178 "0" RESC1005X40N 139.5,28.615 r180 bottom
T1A "NMOS" CSD15380F3 18.509,20.169 r180 top (schematic designator T1)
T1B "NMOS" CSD15380F3 18.509,32.169 r180 top (schematic designator T1)
T1C "NMOS" CSD15380F3 18.509,44.169 r180 top (schematic designator T1)
T1D "NMOS" CSD15380F3 18.509,56.169 r180 top (schematic designator T1)
T1E "NMOS" CSD15380F3 18.509,68.169 r180 top (schematic designator T1)
T1F "NMOS" CSD15380F3 18.509,80.169 r180 top (schematic designator T1)
T2A "NMOS" CSD15380F3 18.509,21.669 r180 top (schematic designator T2)
T2B "NMOS" CSD15380F3 18.509,33.669 r180 top (schematic designator T2)
T2C "NMOS" CSD15380F3 18.509,45.669 r180 top (schematic designator T2)
T2D "NMOS" CSD15380F3 18.509,57.669 r180 top (schematic designator T2)
T2E "NMOS" CSD15380F3 18.509,69.669 r180 top (schematic designator T2)
T2F "NMOS" CSD15380F3 18.509,81.669 r180 top (schematic designator T2)
T3 "BSS138LT1G" SOT95P240X110-3N 165.112,10.047 r180 top
T4 "BSS138LT1G" SOT95P240X110-3N 170.091,4.805 r180 bottom
T5 "BSS138LT1G" SOT95P240X110-3N 112.372,37.409 r90 top
T6 "BSS138LT1G" SOT95P240X110-3N 182.1,6.2 r180 bottom
TP1 "Test Point" TPS127 103.75,94.75 r90 top
TP2 "Test Point" TPS127 103.75,91 r0 top
TP3 "Test Point" TPS127 103.75,86.75 r0 top
TP4 "Test Point" TPS127 103.75,80 r90 top
TP5 "Test Point" TPS127 68,54.5 r90 top
TP6 "Test Point" TPS127 64,56 r90 top
TP7 "Test Point" TPS127 62.75,51.75 r90 top
TP8 "Test Point" TPS127 65.5,53.25 r90 top
TP9 "Test Point" TPS127 61.5,55 r90 top
TP10 "Test Point" TPS127 70.522,55.314 r90 top
TP11 "Test Point" TPS127 80.5,71 r0 top
TP12 "Test Point" TPS127 66.015,19.905 r90 top
TP13 "Test Point" TPS127 103.75,83.5 r90 top
TP14 "Test Point" TPS127 63,18.25 r90 top
TP15 "Test Point" TPS127 63,21.5 r90 top
TP16 "Test Point" TPS127 75.5,35.5 r90 top

## Footprints (in the part's own frame and the unit in brackets; to place one, negate y for a bottom-side part, rotate by r counter-clockwise, add the part's x,y. Pads: shape width x height; smd on the part's side, far side on the other; paste and mask are expansions set on the pad)
3M_N2530-6002RB [mm] "30 Contacts - Straight .100\" x .100\" Low Profile Four-Wall Header"
  round 1.6 hole 1: 1(-17.78,-1.27) 2(-17.78,1.27) 3(-15.24,-1.27) 4(-15.24,1.27) 5(-12.7,-1.27) 6(-12.7,1.27) 7(-10.16,-1.27) 8(-10.16,1.27) 9(-7.62,-1.27) 10(-7.62,1.27) 11(-5.08,-1.27) 12(-5.08,1.27) 13(-2.54,-1.27) 14(-2.54,1.27) 15(0,-1.27) 16(0,1.27) 17(2.54,-1.27) 18(2.54,1.27) 19(5.08,-1.27) 20(5.08,1.27) 21(7.62,-1.27) 22(7.62,1.27) 23(10.16,-1.27) 24(10.16,1.27) 25(12.7,-1.27) 26(12.7,1.27) 27(15.24,-1.27) 28(15.24,1.27) 29(17.78,-1.27) 30(17.78,1.27)
  silkscreen extent -22.71,-4.85 22.71,4.52, body extent -22.71,-4.11 22.71,4.52, height 9.91
AMPHENOL_919-383J-51A [mm] "50 Ohm, RF Connector, MCX Right Angle PCB Receptacle Jack"
  round 1.9 hole 1.2: 1(0,0)
  round 2.4 hole 1.7: 2(-2.54,2.54) 2(-2.54,-2.54) 2(2.54,2.54) 2(2.54,-2.54)
  silkscreen extent -3,-3 6.5,3, body extent -3,-3 6.5,3, height 6
AMPHENOL_10052825-101LF [mm] "72 Contacts, 2mm Pitch, 6 Columns, 4 Pairs per Column, 4 Walls, Right Angle Header"
  round 1.1 hole 0.5: A1(-5,-7.65) A2(-3,-7.75) A3(-1,-7.65) A4(1,-7.75) A5(3,-7.65) A6(5,-7.75) B1(-5,-6.25) B2(-3,-6.35) B3(-1,-6.25) B4(1,-6.35) B5(3,-6.25) B6(5,-6.35) C1(-5,-4.85) C2(-3,-4.95) C3(-1,-4.85) C4(1,-4.95) C5(3,-4.85) C6(5,-4.95) D1(-5,-3.45) D2(-3,-3.55) D3(-1,-3.45) D4(1,-3.55) D5(3,-3.45) D6(5,-3.55) E1(-5,-2.05) E2(-3,-2.15) E3(-1,-2.05) E4(1,-2.15) E5(3,-2.05) E6(5,-2.15) F1(-5,-0.65) F2(-3,-0.75) F3(-1,-0.65) F4(1,-0.75) F5(3,-0.65) F6(5,-0.75) G1(-5,0.75) G2(-3,0.65) G3(-1,0.75) G4(1,0.65) G5(3,0.75) G6(5,0.65) H1(-5,2.15) H2(-3,2.05) H3(-1,2.15) H4(1,2.05) H5(3,2.15) H6(5,2.05) I1(-5,3.55) I2(-3,3.45) I3(-1,3.55) I4(1,3.45) I5(3,3.55) I6(5,3.45) J1(-5,4.95) J2(-3,4.85) J3(-1,4.95) J4(1,4.85) J5(3,4.95) J6(5,4.85) K1(-5,6.35) K2(-3,6.25) K3(-1,6.35) K4(1,6.25) K5(3,6.35) K6(5,6.25) L1(-5,7.75) L2(-3,7.65) L3(-1,7.75) L4(1,7.65) L5(3,7.75) L6(5,7.65)
  silkscreen extent -6.95,-21.95 6.95,11.85, body extent -6.95,-21.95 6.95,11.85, height 15.25
AMPHENOL_10052838-101LF [mm] "96 Contacts, 2mm Pitch, 8 Columns, 4 Pairs per Column, 4 Walls, Right Angle Header"
  round 1.1 hole 0.5: A1(-7,-7.65) A2(-5,-7.75) A3(-3,-7.65) A4(-1,-7.75) A5(1,-7.65) A6(3,-7.75) A7(5,-7.65) A8(7,-7.75) B1(-7,-6.25) B2(-5,-6.35) B3(-3,-6.25) B4(-1,-6.35) B5(1,-6.25) B6(3,-6.35) B7(5,-6.25) B8(7,-6.35) C1(-7,-4.85) C2(-5,-4.95) C3(-3,-4.85) C4(-1,-4.95) C5(1,-4.85) C6(3,-4.95) C7(5,-4.85) C8(7,-4.95) D1(-7,-3.45) D2(-5,-3.55) D3(-3,-3.45) D4(-1,-3.55) D5(1,-3.45) D6(3,-3.55) D7(5,-3.45) D8(7,-3.55) E1(-7,-2.05) E2(-5,-2.15) E3(-3,-2.05) E4(-1,-2.15) E5(1,-2.05) E6(3,-2.15) E7(5,-2.05) E8(7,-2.15) F1(-7,-0.65) F2(-5,-0.75) F3(-3,-0.65) F4(-1,-0.75) F5(1,-0.65) F6(3,-0.75) F7(5,-0.65) F8(7,-0.75) G1(-7,0.75) G2(-5,0.65) G3(-3,0.75) G4(-1,0.65) G5(1,0.75) G6(3,0.65) G7(5,0.75) G8(7,0.65) H1(-7,2.15) H2(-5,2.05) H3(-3,2.15) H4(-1,2.05) H5(1,2.15) H6(3,2.05) H7(5,2.15) H8(7,2.05) I1(-7,3.55) I2(-5,3.45) I3(-3,3.55) I4(-1,3.45) I5(1,3.55) I6(3,3.45) I7(5,3.55) I8(7,3.45) J1(-7,4.95) J2(-5,4.85) J3(-3,4.95) J4(-1,4.85) J5(1,4.95) J6(3,4.85) J7(5,4.95) J8(7,4.85) K1(-7,6.35) K2(-5,6.25) K3(-3,6.35) K4(-1,6.25) K5(1,6.35) K6(3,6.25) K7(5,6.35) K8(7,6.25) L1(-7,7.75) L2(-5,7.65) L3(-3,7.75) L4(-1,7.65) L5(1,7.75) L6(3,7.65) L7(5,7.75) L8(7,7.65)
  silkscreen extent -8.95,-21.95 8.95,11.85, body extent -8.95,-21.95 8.95,11.85, height 15.25
CAPC1005X55N [mm] "Capacitor, Non-Polarized, Chip; 1.00mm L X 0.50mm W X 0.70mm H, IPC Medium Density"
  rect 0.62x0.62 smd: 1(-0.45,0) 2(0.45,0)
  body extent -0.52,-0.27 0.53,0.28, height 0.55
CAPC1608X80N [mm] "Chip Capacitor, Body 1.6x0.8mm IPC Medium Density"
  rect 1x1 smd: 1(-0.75,0) 2(0.75,0)
  body extent -0.87,-0.47 0.88,0.48, height 0.8
CAPC1608X87N [mm] "Chip Capacitor, Body 1.6x0.8mm IPC Medium Density"
  rect 0.95x1 smd: 1(-0.8,0) 2(0.8,0)
  body extent -0.87,-0.47 0.88,0.48, height 0.87
CAPC2012X135N [mm] "Chip Capacitor, Body 2.0x1.25mm, IPC Medium Density"
  rect 1.05x1.4 smd: 1(-0.9,0) 2(0.9,0)
  silkscreen extent 0,-0.58 0,0.58, body extent -1.05,-0.67 1.05,0.68, height 1.25
CAPMP3216X180N [mm] "Capacitor, Polarized, Molded  Body 3.2x1.6mm, IPC Medium Density"
  rect 1.8x1.25 smd: 1(-1.3,0) 2(1.3,0)
  silkscreen extent -2.4,-0.7 0,1.25, body extent -1.7,-0.9 1.7,0.9, height 1.6
CC6-1212DF-E [mm]
  round 2 hole 1: 1(-2.54,-2.63) 2(-2.54,-12.79) 3(-2.54,-17.87) 4(20.32,-17.87) 5(20.32,-12.79) 6(20.32,-7.71) 7(20.32,-2.63)
  round 2.5 hole 1.5: 8(0,0) 9(17.78,-20.5)
  silkscreen extent -4.09,-20.83 20.44,0.25, body extent -2.72,-20.81 20.44,0.29, height 8.4
CSD15380F3 [mm]
  rect 0.24x0.34 smd paste-0.05 mask-0.05: 1(-0.175,-0.4) 2(0.175,-0.4)
  rect 0.6x0.24 smd paste-0.05 mask-0.05: 3(0,0)
  silkscreen extent -0.52,-0.8 0.53,0.34
DCDC_XPPOWER_JHM0X [mm] "JHM Series , Body 31.75 x 20.32mm"
  round 1.5 hole 0.8: 2(-11.555,-7.62) 3(-9.015,-7.62) 9(6.225,-7.62) 10(8.765,-7.62) 11(11.305,-7.62) 14(11.305,7.62) 16(6.225,7.62) 22(-9.015,7.62) 23(-11.555,7.62)
  silkscreen extent -15.88,-11.01 15.88,10.16, body extent -15.88,-10.16 15.88,10.16, height 10.4
DIOM5126X265N [mm] "DO-214-AC/SMA Molded Diode, 2-Leads, Body 5.1x2.6mm, IPC Medium Density"
  rect 2.2x1.55 smd: 1(-2.05,0) 2(2.05,0)
  silkscreen extent -3.47,-1.45 2.7,1.48, body extent -2.67,-1.45 2.68,1.45, height 2.65
FIDUCIAL_TOP_S100-200 [mm] "Square Fiducial Target, Top Layer, 1.0mm, Top Solder 2.0mm, Keepout =2.0mm"
  rect 1x1 smd rot 45 paste-0.51 mask+0.5: 1(0,0)
  TopLayer keep-out region: 1.414,0 0,-1.414 -1.414,0 0,1.414
IND_MURATA-PS_8400 [mm] "Miniature Surface Mount Power Inductors, 4.5mm L X 3.3mm W X 2.9mm H, MURATA 8400 Series"
  rect 2x3.5 smd: 1(-1.6,0) 2(1.6,0)
  silkscreen extent -0.3,-1.8 0.3,1.8, body extent -2.4,-1.8 2.4,1.8, height 2.9
IND_WURTH_WE-TPC_4828 [mm] "Shielded Tiny Power Inductor, Body 4.8x4.8mm"
  rect 0.95x5.3 smd: 1(-2.275,0) 2(2.275,0)
  rect 1.05x1.014 smd: 1(-1.275,2.143) 1(-1.275,-2.143) 2(1.275,2.143) 2(1.275,-2.143)
  TopLayer region: 0.75,-2.65 2.75,-2.65 2.75,2.65 0.75,2.65 0.75,1.636 1.394,1.138 1.753,0.407 1.753,-0.407 1.394,-1.138 0.75,-1.636 0.75,-1.636
  TopLayer region: -2.75,-2.65 -0.75,-2.65 -0.75,-1.636 -1.394,-1.138 -1.753,-0.407 -1.753,0.407 -1.394,1.138 -0.75,1.636 -0.75,1.636 -0.75,2.65 -2.75,2.65
  TopLayer region: 2.75,-2.65 0.75,-2.65 0.75,-1.636 1.394,-1.138 1.753,-0.407 1.753,0.407 1.394,1.138 0.75,1.636 0.75,1.636 0.75,2.65 2.75,2.65
  silkscreen extent -0.35,-2.4 0.35,2.4, body extent -2.4,-2.4 2.4,2.4, height 2.8
LED_AVAGO_HSMC-C120 [mm] "Red Chip LED, 2-Leads, Body 1.7x1.1mm, Side Emitting Package"
  rect 0.8x0.7 smd: 1(-1,0) 2(1,0)
  rect 0.4x0.4 smd: 3(0,-0.35)
  silkscreen extent -1.12,-0.92 0.42,0.8, body extent -0.85,-0.3 0.85,0.8, height 0.7
LED_KINGBRIGHT_KPH-1608CGCK [mm] "SMT Green LED, Case 0603, Body L 1.6 x W 0.8mm H 0.65mm"
  rect 0.8x0.8 smd: 1(-0.825,0) 2(0.825,0)
  silkscreen extent -1.82,-0.4 0.08,0.4, body extent -0.8,-0.4 0.8,0.4, height 0.65
LT-DD-8_V [mm] "SON, 8-Leads, Body 3x3mm, Pitch 0.5mm, Thermal Pad 1.65x2.38 mm, IPC Low Density"
  rect 0.7x0.25 smd: 1(-1.4,0.75) 2(-1.4,0.25) 3(-1.4,-0.25) 4(-1.4,-0.75) 5(1.4,-0.75) 6(1.4,-0.25) 7(1.4,0.25) 8(1.4,0.75)
  rect 1.65x2.38 smd: 9(0,0)
  silkscreen extent -1.55,-1.55 1.55,1.28, body extent -1.5,-1.5 1.5,1.5, height 0.8
MTG300_600 [mm] "Plated Through Hole: Hole Dia.=3.0mm Pad Dia.=6.0mm"
  round 6 hole 3: 1(0,0)
RESC1005X35N [mm] "Chip Resistor, EIA 0402, Metric 1005, Body 1.0x0.5mm, IPC Medium Density"
  rect 0.58x0.62 smd: 1(-0.47,0) 2(0.47,0)
  body extent -0.52,-0.27 0.53,0.28, height 0.35
RESC1005X40N [mm] "Chip Resistor, EIA 0402, Metric 1005, Body 1.0x0.5mm, IPC Medium Density"
  rect 0.58x0.62 smd: 1(-0.47,0) 2(0.47,0)
  body extent -0.52,-0.27 0.53,0.28, height 0.4
RESC1608X55N [mm] "Chip Resistor, EIA 0603, Metric 1608, Body 1.6x0.8mm, IPC Medium Density"
  rect 0.9x1 smd: 1(-0.8,0) 2(0.8,0)
  body extent -0.87,-0.47 0.88,0.48, height 0.55
RESC2012X60N [mm] "Chip Resistor, EIA 0805, Metric 2012, Body 2.0x1.2mm, IPC Medium Density"
  rect 0.95x1.4 smd: 1(-1,0) 2(1,0)
  silkscreen extent 0,-0.55 0,0.55, body extent -1.1,-0.67 1.1,0.68, height 0.6
RESC2012X70N [mm] "Chip Resistor, EIA 0805, Metric 2012, Body 2.0x1.25mm, IPC Medium Density"
  rect 1.05x1.4 smd: 1(-0.95,0) 2(0.95,0)
  silkscreen extent 0,-0.55 0,0.55, body extent -1.1,-0.67 1.1,0.68, height 0.7